# KiCad board HALTEST-panel.kicad_pcb (continued)
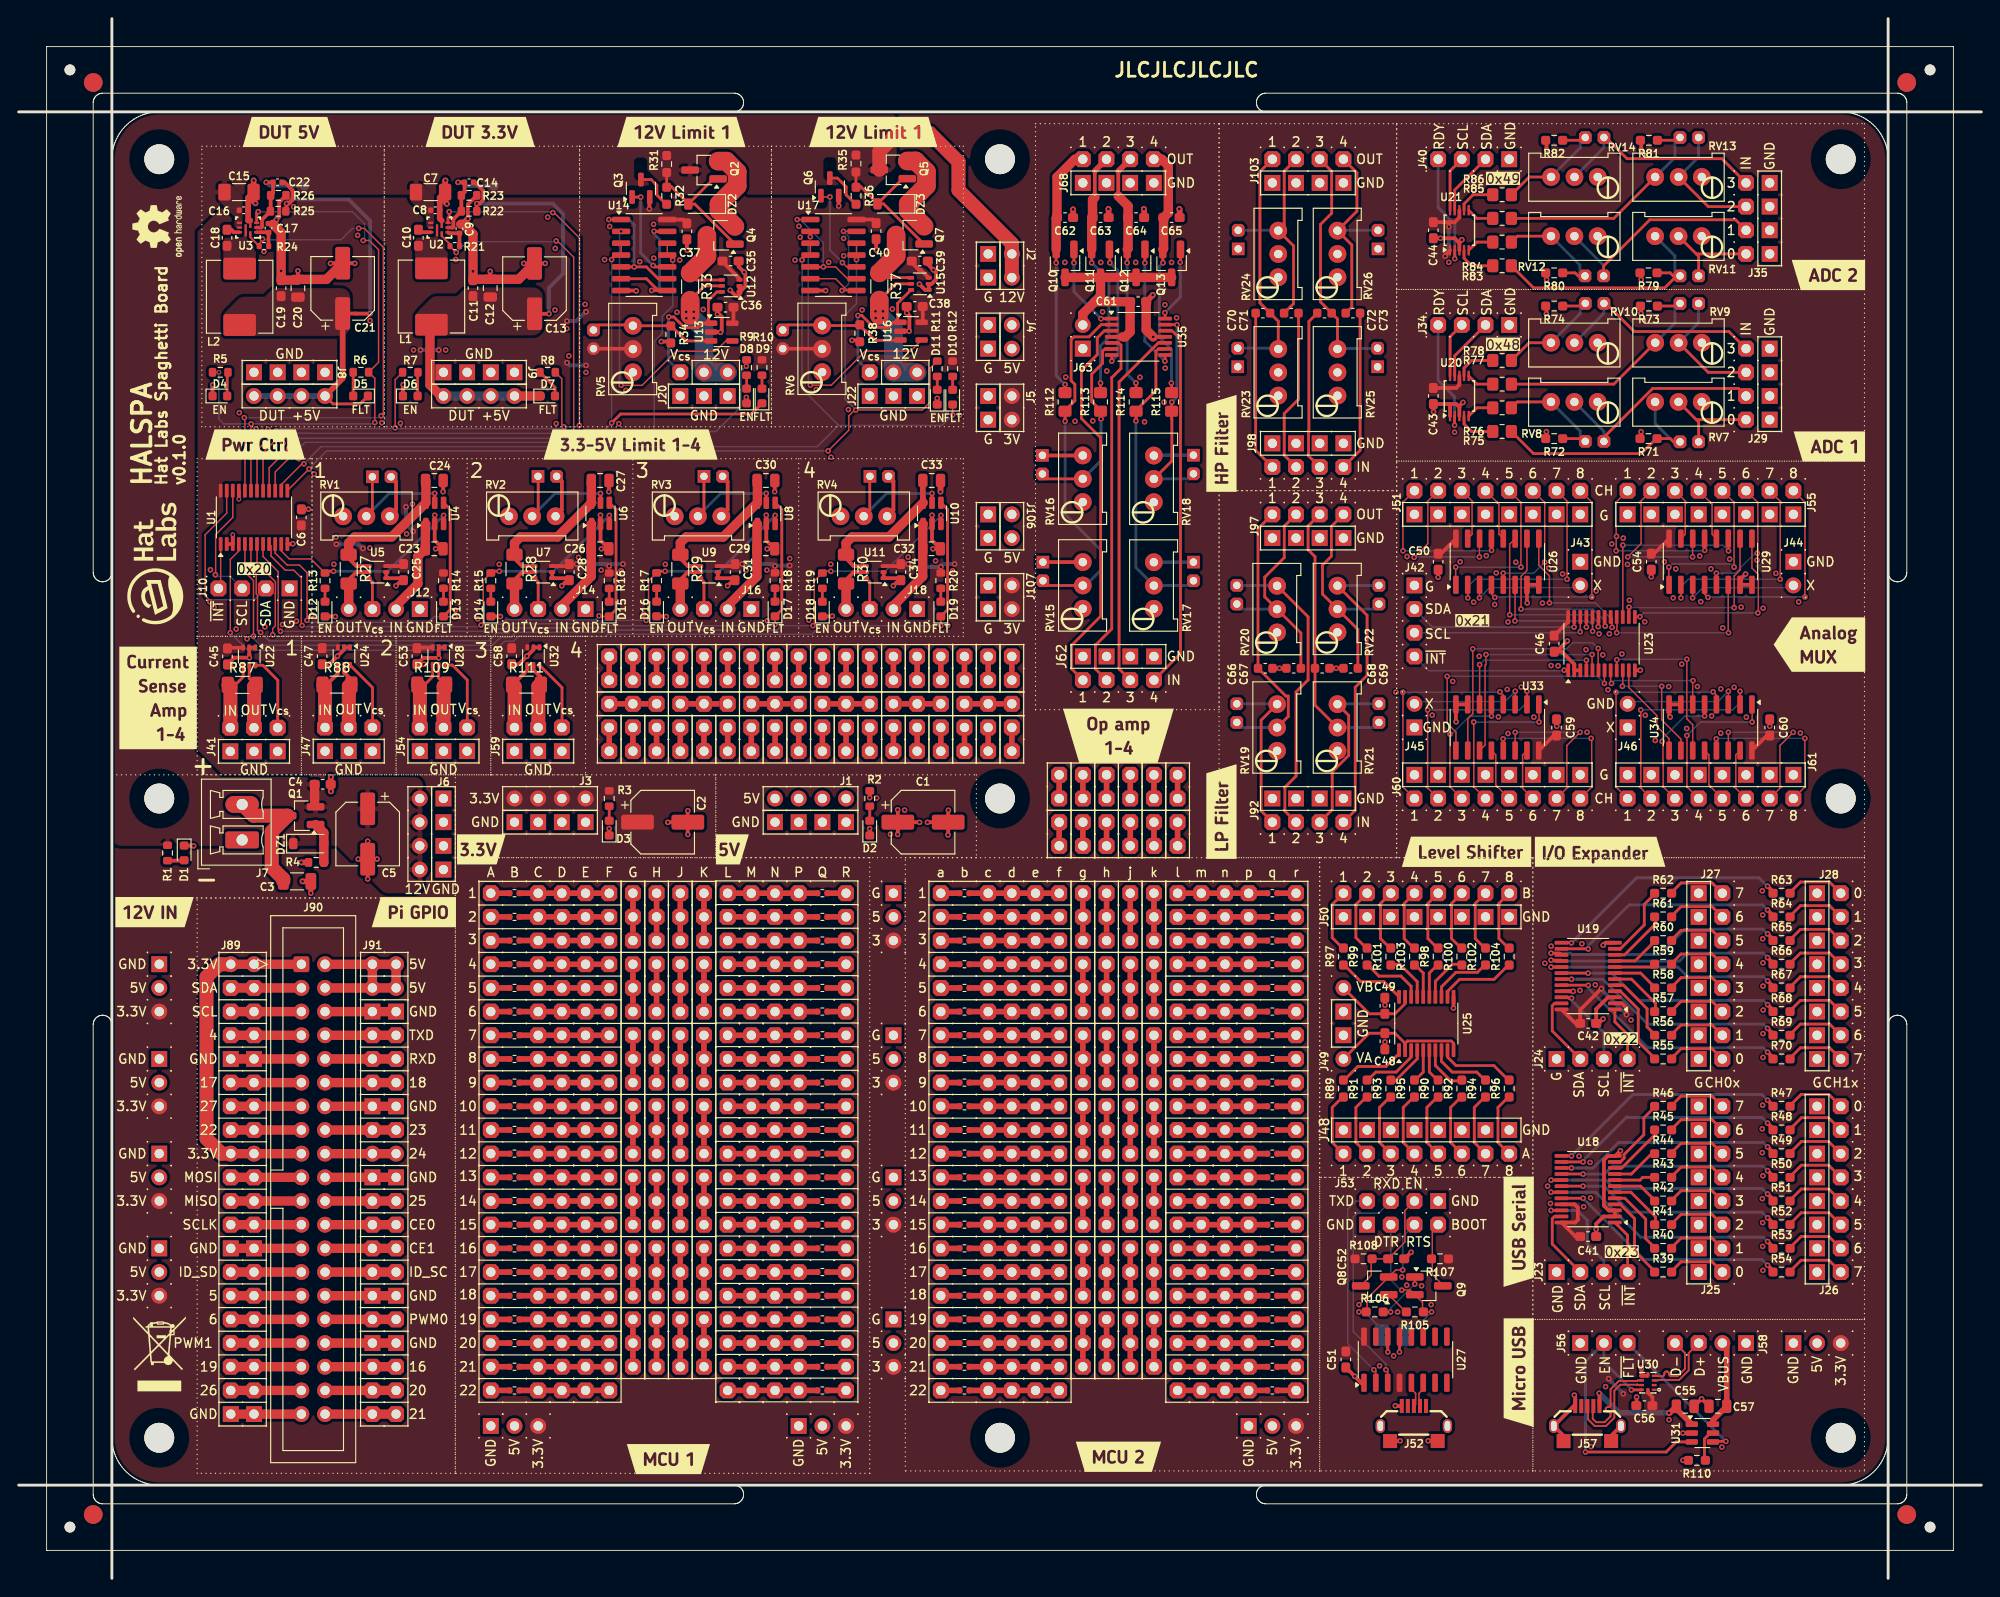
[diagram p0: board, top side]
## Nets (continued)
Board_0-/Filters/LPIN1: J92.2 J93.1 RV19.3
Board_0-/Filters/LPIN2: J92.4 J94.1 RV20.3
Board_0-/Filters/LPIN3: J92.6 J95.1 RV21.3
Board_0-/Filters/LPIN4: J92.8 J96.1 RV22.3
Board_0-/Filters/LPOUT1: C66.1 J93.2 J97.2 RV19.2
Board_0-/Filters/LPOUT2: C67.1 J94.2 J97.4 RV20.2
Board_0-/Filters/LPOUT3: C68.1 J95.2 J97.6 RV21.2
Board_0-/Filters/LPOUT4: C69.1 J96.2 J97.8 RV22.2
Board_0-/Level Shifting/A1: R89.2 U25.1
Board_0-/Level Shifting/A2: R91.2 U25.3
Board_0-/Level Shifting/A3: R93.2 U25.4
Board_0-/Level Shifting/A4: R95.2 U25.5
Board_0-/Level Shifting/A5: R90.2 U25.6
Board_0-/Level Shifting/A6: R92.2 U25.7
Board_0-/Level Shifting/A7: R94.2 U25.8
Board_0-/Level Shifting/A8: R96.2 U25.9
Board_0-/Level Shifting/Ac1: J48.2 R89.1
Board_0-/Level Shifting/Ac2: J48.4 R91.1
Board_0-/Level Shifting/Ac3: J48.6 R93.1
Board_0-/Level Shifting/Ac4: J48.8 R95.1
Board_0-/Level Shifting/Ac5: J48.10 R90.1
Board_0-/Level Shifting/Ac6: J48.12 R92.1
Board_0-/Level Shifting/Ac7: J48.14 R94.1
Board_0-/Level Shifting/Ac8: J48.16 R96.1
Board_0-/Level Shifting/B1: R97.1 U25.20
Board_0-/Level Shifting/B2: R99.1 U25.18
Board_0-/Level Shifting/B3: R101.1 U25.17
Board_0-/Level Shifting/B4: R103.1 U25.16
Board_0-/Level Shifting/B5: R98.1 U25.15
Board_0-/Level Shifting/B6: R100.1 U25.14
Board_0-/Level Shifting/B7: R102.1 U25.13
Board_0-/Level Shifting/B8: R104.1 U25.12
Board_0-/Level Shifting/Bc1: J50.2 R97.2
Board_0-/Level Shifting/Bc2: J50.4 R99.2
Board_0-/Level Shifting/Bc3: J50.6 R101.2
Board_0-/Level Shifting/Bc4: J50.8 R103.2
Board_0-/Level Shifting/Bc5: J50.10 R98.2
Board_0-/Level Shifting/Bc6: J50.12 R100.2
Board_0-/Level Shifting/Bc7: J50.14 R102.2
Board_0-/Level Shifting/Bc8: J50.16 R104.2
Board_0-/Opamp/I1-: J64.2 R112.1 RV15.2 U35.2
Board_0-/Opamp/I2-: J65.2 R113.1 RV16.2 U35.6
Board_0-/Opamp/I3-: J66.2 R114.1 RV17.2 U35.9
Board_0-/Opamp/I4-: J67.2 R115.1 RV18.2 U35.13
Board_0-/Opamp/IN1: J62.2 U35.3
Board_0-/Opamp/IN2: J62.4 U35.5
Board_0-/Opamp/IN3: J62.6 U35.10
Board_0-/Opamp/IN4: J62.8 U35.12
Board_0-/Opamp/O1: Q10.1 U35.1
Board_0-/Opamp/O2: Q11.1 U35.7
Board_0-/Opamp/O3: Q12.1 U35.8
Board_0-/Opamp/O4: Q13.1 U35.14
Board_0-/Opamp/OUT1: C62.2 J68.2 Q10.2 R112.2
Board_0-/Opamp/OUT2: C63.2 J68.4 Q11.2 R113.2
Board_0-/Opamp/OUT3: C64.2 J68.6 Q12.2 R114.2
Board_0-/Opamp/OUT4: C65.2 J68.8 Q13.2 R115.2
Board_0-/Raspberry Pi GPIO/GPIO0: J89.27 J90.27
Board_0-/Raspberry Pi GPIO/GPIO1: J90.28 J91.28
Board_0-/Raspberry Pi GPIO/GPIO2: J89.3 J90.3
Board_0-/Raspberry Pi GPIO/GPIO3: J89.5 J90.5
Board_0-/Raspberry Pi GPIO/GPIO4: J89.7 J90.7
Board_0-/Raspberry Pi GPIO/GPIO5: J89.29 J90.29
Board_0-/Raspberry Pi GPIO/GPIO6: J89.31 J90.31
Board_0-/Raspberry Pi GPIO/GPIO7: J90.26 J91.26
Board_0-/Raspberry Pi GPIO/GPIO8: J90.24 J91.24
Board_0-/Raspberry Pi GPIO/GPIO9: J89.21 J90.21
Board_0-/Raspberry Pi GPIO/GPIO10: J89.19 J90.19
Board_0-/Raspberry Pi GPIO/GPIO11: J89.23 J90.23
Board_0-/Raspberry Pi GPIO/GPIO12: J90.32 J91.32
Board_0-/Raspberry Pi GPIO/GPIO13: J89.33 J90.33
Board_0-/Raspberry Pi GPIO/GPIO14: J90.8 J91.8
Board_0-/Raspberry Pi GPIO/GPIO15: J90.10 J91.10
Board_0-/Raspberry Pi GPIO/GPIO16: J90.36 J91.36
Board_0-/Raspberry Pi GPIO/GPIO17: J89.11 J90.11
Board_0-/Raspberry Pi GPIO/GPIO18: J90.12 J91.12
Board_0-/Raspberry Pi GPIO/GPIO19: J89.35 J90.35
Board_0-/Raspberry Pi GPIO/GPIO20: J90.38 J91.38
Board_0-/Raspberry Pi GPIO/GPIO21: J90.40 J91.40
Board_0-/Raspberry Pi GPIO/GPIO22: J89.15 J90.15
Board_0-/Raspberry Pi GPIO/GPIO23: J90.16 J91.16
Board_0-/Raspberry Pi GPIO/GPIO24: J90.18 J91.18
Board_0-/Raspberry Pi GPIO/GPIO25: J90.22 J91.22
Board_0-/Raspberry Pi GPIO/GPIO26: J89.37 J90.37
Board_0-/Raspberry Pi GPIO/GPIO27: J89.13 J90.13
Board_0-/Raspberry Pi GPIO/RPI_3V3: J89.1 J89.17 J90.1 J90.17
Board_0-/Raspberry Pi GPIO/RPI_5V: J90.2 J90.4 J91.2 J91.4
Board_0-/USB connector/D+: J57.3 U30.8
Board_0-/USB connector/D-: J57.2 U30.7
Board_0-/USB connector/EN: J56.2 U30.9 U31.3
Board_0-/USB connector/MHL+: J58.3 U30.3
Board_0-/USB connector/MHL-: J58.4 U30.4
Board_0-/USB connector/~{FAULT}: J56.3 U31.4
Board_0-/USB serial interface/BOOT: J53.7 Q9.3 R107.2
Board_0-/USB serial interface/DTR: JP1.1 U27.13
Board_0-/USB serial interface/DTRb: Q8.1 R105.2
Board_0-/USB serial interface/DTRsj: J53.3 JP1.2 Q9.2 R105.1
Board_0-/USB serial interface/EN: C52.1 J53.6 Q8.3 R108.2
Board_0-/USB serial interface/RTS: JP2.2 U27.14
Board_0-/USB serial interface/RTSb: Q9.1 R106.2
Board_0-/USB serial interface/RTSsj: J53.5 JP2.1 Q8.2 R106.1
Board_0-/USB serial interface/RXD: J53.4 U27.3
Board_0-/USB serial interface/TXD: J53.2 U27.2
Board_0-/USB serial interface/USB_D+: J52.3 U27.5
Board_0-/USB serial interface/USB_D-: J52.2 U27.6
Board_0-GND: C1.2 C2.2 C3.2 C4.2 C5.2 C6.2 C7.2 C8.2 C9.2 C11.2 C12.2 C13.2 C15.2 C16.2 C17.2 C19.2 C20.2 C21.2 C23.2 C24.2 C25.2 C26.2 C27.2 C28.2 C29.2 C30.2 C31.2 C32.2 C33.2 C34.2 C35.2 C36.2 C37.2 C38.2 C39.2 C40.2 C41.2 C42.2 C43.2 C44.2 C45.1 C46.2 C47.1 C48.1 C49.2 C50.2 C51.2 C52.2 C53.1 C54.2 C55.2 C56.1 C57.2 C58.1 C59.2 C60.2 C61.1 C62.1 C63.1 C64.1 C65.1 C66.2 C67.2 C68.2 C69.2 D1.1 D2.1 D3.1 D4.1 D6.1 D8.1 D10.1 D12.1 D14.1 D16.1 D18.1 J1.1 J1.3 J1.5 J1.7 J2.1 J2.3 J3.1 J3.3 J3.5 J3.7 J4.1 J4.3 J5.1 J5.3 J6.1 J6.3 J6.5 J6.7 J7.1 J8.1 J8.3 J8.5 J8.7 J9.1 J9.3 J9.5 J9.7 J10.1 J11.2 J12.1 J13.2 J14.1 J15.2 J16.1 J17.2 J18.1 J20.1 J20.3 J20.5 J22.1 J22.3 J22.5 J23.1 J24.1 J25.1 J25.3 J25.5 J25.7 J25.9 J25.11 J25.13 J25.15 J26.1 J26.3 J26.5 J26.7 J26.9 J26.11 J26.13 J26.15 J27.1 J27.3 J27.5 J27.7 J27.9 J27.11 J27.13 J27.15 J28.1 J28.3 J28.5 J28.7 J28.9 J28.11 J28.13 J28.15 J29.1 J29.3 J29.5 J29.7 J34.1 J35.1 J35.3 J35.5 J35.7 J40.1 J41.1 J41.3 J41.5 J42.1 J43.1 J44.1 J45.1 J46.1 J47.1 J47.3 J47.5 J48.1 J48.3 J48.5 J48.7 J48.9 J48.11 J48.13 J48.15 J49.2 J49.3 J50.1 J50.3 J50.5 J50.7 J50.9 J50.11 J50.13 J50.15 J51.1 J51.3 J51.5 J51.7 J51.9 J51.11 J51.13 J51.15 J52.5 J52.6 J53.1 J53.8 J54.1 J54.3 J54.5 J55.1 J55.3 J55.5 J55.7 J55.9 J55.11 J55.13 J55.15 J56.1 J57.5 J57.6 J58.1 J59.1 J59.3 J59.5 J60.1 J60.3 J60.5 J60.7 J60.9 J60.11 J60.13 J60.15 J61.1 J61.3 J61.5 J61.7 J61.9 J61.11 J61.13 J61.15 J62.1 J62.3 J62.5 J62.7 J63.1 J64.1 J65.1 J66.1 J67.1 J68.1 J68.3 J68.5 J68.7 J89.9 J89.25 J89.39 J90.6 J90.9 J90.14 J90.20 J90.25 J90.30 J90.34 J90.39 J91.6 J91.14 J91.20 J91.30 J91.34 J92.1 J92.3 J92.5 J92.7 J97.1 J97.3 J97.5 J97.7 J98.1 J98.3 J98.5 J98.7 J99.1 J100.1 J101.1 J102.1 J103.1 J103.3 J103.5 J103.7 J106.1 J106.3 J107.1 J107.3 Q3.2 Q6.2 R4.2 R23.2 R26.2 R34.2 R38.2 R71.2 R72.2 R73.2 R74.2 R79.2 R80.2 R81.2 R82.2 R110.2 REF**#21.1 REF**#31.1 REF**#36.1 REF**#51.1 REF**#52.1 REF**#65.1 REF**#67.1 REF**#70.1 REF**#76.1 REF**#78.1 REF**#99.1 REF**#117.1 RV1.3 RV2.3 RV3.3 RV4.3 RV15.3 RV16.3 RV17.3 RV18.3 RV23.2 RV24.2 RV25.2 RV26.2 U1.2 U1.3 U1.12 U1.21 U2.4 U3.4 U4.2 U5.1 U5.2 U6.2 U7.1 U7.2 U8.2 U9.1 U9.2 U10.2 U11.1 U11.2 U12.1 U12.2 U13.2 U14.7 U15.1 U15.2 U16.2 U17.7 U18.3 U18.12 U19.3 U19.12 U19.21 U20.1 U20.3 U21.3 U22.1 U22.2 U23.2 U23.3 U23.12 U24.1 U24.2 U25.11 U26.7 U26.8 U27.1 U28.1 U28.2 U29.7 U29.8 U30.5 U30.6 U31.2 U32.1 U32.2 U33.7 U33.8 U34.7 U34.8 U35.11
Board_0-Net-(D1-A): D1.2 R1.2
Board_0-Net-(D2-A): D2.2 R2.2
Board_0-Net-(D3-A): D3.2 R3.2
Board_0-Net-(D4-A): D4.2 R5.2
Board_0-Net-(D5-A): D5.2 R6.2
Board_0-Net-(D6-A): D6.2 R7.2
Board_0-Net-(D7-A): D7.2 R8.2
Board_0-Net-(D8-A): D8.2 R9.2
Board_0-Net-(D9-A): D9.2 R10.2
Board_0-Net-(D10-A): D10.2 R11.2
Board_0-Net-(D11-A): D11.2 R12.2
Board_0-Net-(D12-A): D12.2 R13.2
Board_0-Net-(D13-A): D13.2 R14.2
Board_0-Net-(D14-A): D14.2 R15.2
Board_0-Net-(D15-A): D15.2 R16.2
Board_0-Net-(D16-A): D16.2 R17.2
Board_0-Net-(D17-A): D17.2 R18.2
Board_0-Net-(D18-A): D18.2 R19.2
Board_0-Net-(D19-A): D19.2 R20.2
Board_0-Net-(J69-Pin_1): J69.1 R116.1
Board_0-Net-(J69-Pin_2): J69.2 R117.1
Board_0-Net-(J69-Pin_3): J69.3 R118.1
Board_0-Net-(J69-Pin_4): J69.4 R119.1
Board_0-Net-(J69-Pin_5): J69.5 R120.1
Board_0-Net-(J69-Pin_6): J69.6 R121.1
Board_0-Net-(J69-Pin_7): J69.7 R122.1
Board_0-Net-(J69-Pin_8): J69.8 R123.1
Board_0-Net-(J69-Pin_9): J69.9 R124.1
Board_0-Net-(J69-Pin_10): J69.10 R125.1
Board_0-Net-(J69-Pin_11): J69.11 R126.1
Board_0-Net-(J69-Pin_12): J69.12 R127.1
Board_0-Net-(J69-Pin_13): J69.13 R128.1
Board_0-Net-(J69-Pin_14): J69.14 R129.1
Board_0-Net-(J69-Pin_15): J69.15 R130.1
Board_0-Net-(J69-Pin_16): J69.16 R131.1
Board_0-Net-(J69-Pin_17): J69.17 R132.1
Board_0-Net-(J69-Pin_18): J69.18 R133.1
Board_0-Net-(J69-Pin_19): J69.19 R134.1
Board_0-Net-(J69-Pin_20): J69.20 R135.1
Board_0-Net-(J69-Pin_21): J69.21 R136.1
Board_0-Net-(J69-Pin_22): J69.22 R137.1
Board_0-Net-(J70-Pin_1): J70.1 J71.1 J72.1 J73.1 R116.2
Board_0-Net-(J70-Pin_2): J70.2 J71.2 J72.2 J73.2 R117.2
Board_0-Net-(J70-Pin_3): J70.3 J71.3 J72.3 J73.3 R118.2
Board_0-Net-(J70-Pin_4): J70.4 J71.4 J72.4 J73.4 R119.2
Board_0-Net-(J70-Pin_5): J70.5 J71.5 J72.5 J73.5 R120.2
Board_0-Net-(J70-Pin_6): J70.6 J71.6 J72.6 J73.6 R121.2
Board_0-Net-(J70-Pin_7): J70.7 J71.7 J72.7 J73.7 R122.2
Board_0-Net-(J70-Pin_8): J70.8 J71.8 J72.8 J73.8 R123.2
Board_0-Net-(J70-Pin_9): J70.9 J71.9 J72.9 J73.9 R124.2
Board_0-Net-(J70-Pin_10): J70.10 J71.10 J72.10 J73.10 R125.2
Board_0-Net-(J70-Pin_11): J70.11 J71.11 J72.11 J73.11 R126.2
Board_0-Net-(J70-Pin_12): J70.12 J71.12 J72.12 J73.12 R127.2
Board_0-Net-(J70-Pin_13): J70.13 J71.13 J72.13 J73.13 R128.2
Board_0-Net-(J70-Pin_14): J70.14 J71.14 J72.14 J73.14 R129.2
Board_0-Net-(J70-Pin_15): J70.15 J71.15 J72.15 J73.15 R130.2
Board_0-Net-(J70-Pin_16): J70.16 J71.16 J72.16 J73.16 R131.2
Board_0-Net-(J70-Pin_17): J70.17 J71.17 J72.17 J73.17 R132.2
Board_0-Net-(J70-Pin_18): J70.18 J71.18 J72.18 J73.18 R133.2
Board_0-Net-(J70-Pin_19): J70.19 J71.19 J72.19 J73.19 R134.2
Board_0-Net-(J70-Pin_20): J70.20 J71.20 J72.20 J73.20 R135.2
Board_0-Net-(J70-Pin_21): J70.21 J71.21 J72.21 J73.21 R136.2
Board_0-Net-(J70-Pin_22): J70.22 J71.22 J72.22 J73.22 R137.2
Board_0-Net-(J74-Pin_1): J74.1 J75.1 J76.1 J77.1 R138.2
Board_0-Net-(J74-Pin_2): J74.2 J75.2 J76.2 J77.2 R139.2
Board_0-Net-(J74-Pin_3): J74.3 J75.3 J76.3 J77.3 R140.2
Board_0-Net-(J74-Pin_4): J74.4 J75.4 J76.4 J77.4 R141.2
Board_0-Net-(J74-Pin_5): J74.5 J75.5 J76.5 J77.5 R142.2
Board_0-Net-(J74-Pin_6): J74.6 J75.6 J76.6 J77.6 R143.2
Board_0-Net-(J74-Pin_7): J74.7 J75.7 J76.7 J77.7 R144.2
Board_0-Net-(J74-Pin_8): J74.8 J75.8 J76.8 J77.8 R145.2
Board_0-Net-(J74-Pin_9): J74.9 J75.9 J76.9 J77.9 R146.2
Board_0-Net-(J74-Pin_10): J74.10 J75.10 J76.10 J77.10 R147.2
Board_0-Net-(J74-Pin_11): J74.11 J75.11 J76.11 J77.11 R148.2
Board_0-Net-(J74-Pin_12): J74.12 J75.12 J76.12 J77.12 R149.2
Board_0-Net-(J74-Pin_13): J74.13 J75.13 J76.13 J77.13 R150.2
Board_0-Net-(J74-Pin_14): J74.14 J75.14 J76.14 J77.14 R151.2
Board_0-Net-(J74-Pin_15): J74.15 J75.15 J76.15 J77.15 R152.2
Board_0-Net-(J74-Pin_16): J74.16 J75.16 J76.16 J77.16 R153.2
Board_0-Net-(J74-Pin_17): J74.17 J75.17 J76.17 J77.17 R154.2
Board_0-Net-(J74-Pin_18): J74.18 J75.18 J76.18 J77.18 R155.2
Board_0-Net-(J74-Pin_19): J74.19 J75.19 J76.19 J77.19 R156.2
Board_0-Net-(J74-Pin_20): J74.20 J75.20 J76.20 J77.20 R157.2
Board_0-Net-(J74-Pin_21): J74.21 J75.21 J76.21 J77.21 R158.2
Board_0-Net-(J74-Pin_22): J74.22 J75.22 J76.22 J77.22 R159.2
Board_0-Net-(J78-Pin_1): J78.1 R138.1
Board_0-Net-(J78-Pin_2): J78.2 R139.1
Board_0-Net-(J78-Pin_3): J78.3 R140.1
Board_0-Net-(J78-Pin_4): J78.4 R141.1
Board_0-Net-(J78-Pin_5): J78.5 R142.1
Board_0-Net-(J78-Pin_6): J78.6 R143.1
Board_0-Net-(J78-Pin_7): J78.7 R144.1
Board_0-Net-(J78-Pin_8): J78.8 R145.1
Board_0-Net-(J78-Pin_9): J78.9 R146.1
Board_0-Net-(J78-Pin_10): J78.10 R147.1
Board_0-Net-(J78-Pin_11): J78.11 R148.1
Board_0-Net-(J78-Pin_12): J78.12 R149.1
Board_0-Net-(J78-Pin_13): J78.13 R150.1
Board_0-Net-(J78-Pin_14): J78.14 R151.1
Board_0-Net-(J78-Pin_15): J78.15 R152.1
Board_0-Net-(J78-Pin_16): J78.16 R153.1
Board_0-Net-(J78-Pin_17): J78.17 R154.1
Board_0-Net-(J78-Pin_18): J78.18 R155.1
Board_0-Net-(J78-Pin_19): J78.19 R156.1
Board_0-Net-(J78-Pin_20): J78.20 R157.1
Board_0-Net-(J78-Pin_21): J78.21 R158.1
Board_0-Net-(J78-Pin_22): J78.22 R159.1
Board_0-Net-(J79-Pin_1): J79.1 R160.1
Board_0-Net-(J79-Pin_2): J79.2 R161.1
Board_0-Net-(J79-Pin_3): J79.3 R162.1
Board_0-Net-(J79-Pin_4): J79.4 R163.1
Board_0-Net-(J79-Pin_5): J79.5 R164.1
Board_0-Net-(J79-Pin_6): J79.6 R165.1
Board_0-Net-(J79-Pin_7): J79.7 R166.1
Board_0-Net-(J79-Pin_8): J79.8 R167.1
Board_0-Net-(J79-Pin_9): J79.9 R168.1
Board_0-Net-(J79-Pin_10): J79.10 R169.1
Board_0-Net-(J79-Pin_11): J79.11 R170.1
Board_0-Net-(J79-Pin_12): J79.12 R171.1
Board_0-Net-(J79-Pin_13): J79.13 R172.1
Board_0-Net-(J79-Pin_14): J79.14 R173.1
Board_0-Net-(J79-Pin_15): J79.15 R174.1
Board_0-Net-(J79-Pin_16): J79.16 R175.1
Board_0-Net-(J79-Pin_17): J79.17 R176.1
Board_0-Net-(J79-Pin_18): J79.18 R177.1
Board_0-Net-(J79-Pin_19): J79.19 R178.1
Board_0-Net-(J79-Pin_20): J79.20 R179.1
Board_0-Net-(J79-Pin_21): J79.21 R180.1
Board_0-Net-(J79-Pin_22): J79.22 R181.1
Board_0-Net-(J80-Pin_1): J80.1 J81.1 J82.1 J83.1 R160.2
Board_0-Net-(J80-Pin_2): J80.2 J81.2 J82.2 J83.2 R161.2
Board_0-Net-(J80-Pin_3): J80.3 J81.3 J82.3 J83.3 R162.2
Board_0-Net-(J80-Pin_4): J80.4 J81.4 J82.4 J83.4 R163.2
Board_0-Net-(J80-Pin_5): J80.5 J81.5 J82.5 J83.5 R164.2
Board_0-Net-(J80-Pin_6): J80.6 J81.6 J82.6 J83.6 R165.2
Board_0-Net-(J80-Pin_7): J80.7 J81.7 J82.7 J83.7 R166.2
Board_0-Net-(J80-Pin_8): J80.8 J81.8 J82.8 J83.8 R167.2
Board_0-Net-(J80-Pin_9): J80.9 J81.9 J82.9 J83.9 R168.2
Board_0-Net-(J80-Pin_10): J80.10 J81.10 J82.10 J83.10 R169.2
Board_0-Net-(J80-Pin_11): J80.11 J81.11 J82.11 J83.11 R170.2
Board_0-Net-(J80-Pin_12): J80.12 J81.12 J82.12 J83.12 R171.2
Board_0-Net-(J80-Pin_13): J80.13 J81.13 J82.13 J83.13 R172.2
Board_0-Net-(J80-Pin_14): J80.14 J81.14 J82.14 J83.14 R173.2
Board_0-Net-(J80-Pin_15): J80.15 J81.15 J82.15 J83.15 R174.2
Board_0-Net-(J80-Pin_16): J80.16 J81.16 J82.16 J83.16 R175.2
Board_0-Net-(J80-Pin_17): J80.17 J81.17 J82.17 J83.17 R176.2
Board_0-Net-(J80-Pin_18): J80.18 J81.18 J82.18 J83.18 R177.2
Board_0-Net-(J80-Pin_19): J80.19 J81.19 J82.19 J83.19 R178.2
Board_0-Net-(J80-Pin_20): J80.20 J81.20 J82.20 J83.20 R179.2
Board_0-Net-(J80-Pin_21): J80.21 J81.21 J82.21 J83.21 R180.2
Board_0-Net-(J80-Pin_22): J80.22 J81.22 J82.22 J83.22 R181.2
Board_0-Net-(J84-Pin_1): J84.1 J85.1 J86.1 J87.1 R182.2
Board_0-Net-(J84-Pin_2): J84.2 J85.2 J86.2 J87.2 R183.2
Board_0-Net-(J84-Pin_3): J84.3 J85.3 J86.3 J87.3 R184.2
Board_0-Net-(J84-Pin_4): J84.4 J85.4 J86.4 J87.4 R185.2
Board_0-Net-(J84-Pin_5): J84.5 J85.5 J86.5 J87.5 R186.2
Board_0-Net-(J84-Pin_6): J84.6 J85.6 J86.6 J87.6 R187.2
Board_0-Net-(J84-Pin_7): J84.7 J85.7 J86.7 J87.7 R188.2
Board_0-Net-(J84-Pin_8): J84.8 J85.8 J86.8 J87.8 R189.2
Board_0-Net-(J84-Pin_9): J84.9 J85.9 J86.9 J87.9 R190.2
Board_0-Net-(J84-Pin_10): J84.10 J85.10 J86.10 J87.10 R191.2
Board_0-Net-(J84-Pin_11): J84.11 J85.11 J86.11 J87.11 R192.2
Board_0-Net-(J84-Pin_12): J84.12 J85.12 J86.12 J87.12 R193.2
Board_0-Net-(J84-Pin_13): J84.13 J85.13 J86.13 J87.13 R194.2
Board_0-Net-(J84-Pin_14): J84.14 J85.14 J86.14 J87.14 R195.2
Board_0-Net-(J84-Pin_15): J84.15 J85.15 J86.15 J87.15 R196.2
Board_0-Net-(J84-Pin_16): J84.16 J85.16 J86.16 J87.16 R197.2
Board_0-Net-(J84-Pin_17): J84.17 J85.17 J86.17 J87.17 R198.2
Board_0-Net-(J84-Pin_18): J84.18 J85.18 J86.18 J87.18 R199.2
Board_0-Net-(J84-Pin_19): J84.19 J85.19 J86.19 J87.19 R200.2
Board_0-Net-(J84-Pin_20): J84.20 J85.20 J86.20 J87.20 R201.2
Board_0-Net-(J84-Pin_21): J84.21 J85.21 J86.21 J87.21 R202.2
Board_0-Net-(J84-Pin_22): J84.22 J85.22 J86.22 J87.22 R203.2
Board_0-Net-(J88-Pin_1): J88.1 R182.1
Board_0-Net-(J88-Pin_2): J88.2 R183.1
Board_0-Net-(J88-Pin_3): J88.3 R184.1
Board_0-Net-(J88-Pin_4): J88.4 R185.1
Board_0-Net-(J88-Pin_5): J88.5 R186.1
Board_0-Net-(J88-Pin_6): J88.6 R187.1
Board_0-Net-(J88-Pin_7): J88.7 R188.1
Board_0-Net-(J88-Pin_8): J88.8 R189.1
Board_0-Net-(J88-Pin_9): J88.9 R190.1
Board_0-Net-(J88-Pin_10): J88.10 R191.1
Board_0-Net-(J88-Pin_11): J88.11 R192.1
Board_0-Net-(J88-Pin_12): J88.12 R193.1
Board_0-Net-(J88-Pin_13): J88.13 R194.1
Board_0-Net-(J88-Pin_14): J88.14 R195.1
Board_0-Net-(J88-Pin_15): J88.15 R196.1
Board_0-Net-(J88-Pin_16): J88.16 R197.1
Board_0-Net-(J88-Pin_17): J88.17 R198.1
Board_0-Net-(J88-Pin_18): J88.18 R199.1
Board_0-Net-(J88-Pin_19): J88.19 R200.1
Board_0-Net-(J88-Pin_20): J88.20 R201.1
Board_0-Net-(J88-Pin_21): J88.21 R202.1
Board_0-Net-(J88-Pin_22): J88.22 R203.1
Board_0-Net-(U31-ILIM): R110.1 U31.5
Board_0-unconnected-(J52-ID-Pad4): J52.4
Board_0-unconnected-(J52-VBUS-Pad1): J52.1
Board_0-unconnected-(J57-ID-Pad4): J57.4
Board_0-unconnected-(RV1-Pad1): RV1.1
Board_0-unconnected-(RV2-Pad1): RV2.1
Board_0-unconnected-(RV3-Pad1): RV3.1
Board_0-unconnected-(RV4-Pad1): RV4.1
Board_0-unconnected-(RV5-Pad1): RV5.1
Board_0-unconnected-(RV6-Pad1): RV6.1
Board_0-unconnected-(RV7-Pad1): RV7.1
Board_0-unconnected-(RV8-Pad1): RV8.1
Board_0-unconnected-(RV9-Pad1): RV9.1
Board_0-unconnected-(RV10-Pad1): RV10.1
Board_0-unconnected-(RV11-Pad1): RV11.1
Board_0-unconnected-(RV12-Pad1): RV12.1
Board_0-unconnected-(RV13-Pad1): RV13.1
Board_0-unconnected-(RV14-Pad1): RV14.1
Board_0-unconnected-(RV15-Pad1): RV15.1
Board_0-unconnected-(RV16-Pad1): RV16.1
Board_0-unconnected-(RV17-Pad1): RV17.1
Board_0-unconnected-(RV18-Pad1): RV18.1
Board_0-unconnected-(RV19-Pad1): RV19.1
Board_0-unconnected-(RV20-Pad1): RV20.1
Board_0-unconnected-(RV21-Pad1): RV21.1
Board_0-unconnected-(RV22-Pad1): RV22.1
Board_0-unconnected-(RV23-Pad1): RV23.1
Board_0-unconnected-(RV24-Pad1): RV24.1
Board_0-unconnected-(RV25-Pad1): RV25.1
Board_0-unconnected-(RV26-Pad1): RV26.1
Board_0-unconnected-(U27-NC-Pad7): U27.7
Board_0-unconnected-(U27-NC-Pad8): U27.8
Board_0-unconnected-(U27-R232-Pad15): U27.15
Board_0-unconnected-(U27-~{CTS}-Pad9): U27.9
Board_0-unconnected-(U27-~{DCD}-Pad12): U27.12
Board_0-unconnected-(U27-~{DSR}-Pad10): U27.10
Board_0-unconnected-(U27-~{RI}-Pad11): U27.11
Board_0-unconnected-(U30-USB+-Pad1): U30.1
Board_0-unconnected-(U30-USB--Pad2): U30.2

Pads without a net: REF** 1; REF**#2 1; REF**#3 1; REF**#4 1; REF**#6 1; REF**#7 1; REF**#8 1; REF**#9 1; REF**#10 1; REF**#11 1; REF**#12 1; REF**#13 1; REF**#14 1; REF**#15 1; REF**#16 1; REF**#17 1; REF**#18 1; REF**#19 1; REF**#20 1; REF**#22 1; REF**#23 1; REF**#24 1; REF**#25 1; REF**#26 1; REF**#27 1; REF**#28 1; REF**#29 1; REF**#30 1; REF**#32 1; REF**#33 1; REF**#34 1; REF**#35 1; REF**#38 1; REF**#39 1; REF**#40 1; REF**#41 1; REF**#42 1; REF**#43 1; REF**#44 1; REF**#45 1; REF**#46 1; REF**#47 1; REF**#48 1; REF**#49 1; REF**#50 1; REF**#53 1; REF**#54 1; REF**#55 1; REF**#56 1; REF**#57 1; REF**#58 1; REF**#59 1; REF**#60 1; REF**#61 1; REF**#62 1; REF**#63 1; REF**#64 1; REF**#66 1; REF**#68 1; REF**#69 1; REF**#71 1; REF**#72 1; REF**#73 1; REF**#74 1; REF**#75 1; REF**#77 1; REF**#79 1; REF**#80 1; REF**#81 1; REF**#82 1; REF**#83 1; REF**#84 1; REF**#85 1; REF**#86 1; REF**#87 1; REF**#88 1; REF**#89 1; REF**#90 1; REF**#91 1; REF**#92 1; REF**#93 1; REF**#94 1; REF**#95 1; REF**#96 1; REF**#97 1; REF**#98 1; REF**#100 1; REF**#101 1; REF**#102 1; REF**#103 1; REF**#104 1; REF**#105 1; REF**#106 1; REF**#107 1; REF**#108 1; REF**#109 1; REF**#110 1; REF**#111 1; REF**#112 1; REF**#113 1; REF**#114 1; REF**#115 1; REF**#116 1; REF**#118 1; REF**#119 1; REF**#120 1; REF**#121 1; REF**#122 1; REF**#123 1; REF**#124 1

## Via types
v1: diameter 0.6, hole 0.3, Top to Bottom, 606 vias
v2: diameter 0.5, hole 0.3, Top to Bottom, 3 vias

## Routing (per net, layer and track width the routed paths; a pad name or vN(x,y) marks a point on that pad's centre or on a via; arc(x,y) is an arc through that point)
Board_0-/Current Sense/INA199 1/V1: length 8.1
  Top w0.3: 27.78,91.28 27.78,92.55 27.8,92.56 27.8,96.34 26.19,97.95 U22.6
Board_0-/Current Sense/INA199 2/V1: length 7.7
  Top w0.3: U24.6 37.95,95.56 37.95,91.32 37.94,91.3
Board_0-/Current Sense/INA199 3/V1: length 8.1
  Top w0.3: U28.6 46.51,97.97 48.11,96.37 48.11,91.32 48.1,91.3
Board_0-/Current Sense/INA199 4/V1: length 7.7
  Top w0.3: U32.6 58.28,95.56 58.28,91.32 58.26,91.3
Board_0-/DUT Power/Buck 3.3V/VCC: length 2.7
  Top w0.4: R21.2 47.28,143.11 47.28,143.12 C9.1 46.15,144.3 U2.1
Board_0-/DUT Power/Buck 5V/VCC: length 2.8
  Top w0.4: U3.1 26.77,144.41 C17.1 26.8,142.93 R24.2
Board_0-/DUT Power/Curlim 1/Vin: length 10.5
  Top w1: J12.2 40.48,104.34 42.82,106.68 42.82,109.64 C23.1 43.62,113.06 U4.1
Board_0-/DUT Power/Curlim 2/Vin: length 10.5
  Top w1: U6.1 61.4,113.06 C26.1 61.4,107.48 58.26,104.34 J14.2
Board_0-/DUT Power/Curlim 3/Vin: length 10.5
  Top w1: U8.1 79.18,113.06 C29.1 79.18,107.48 76.04,104.34 J16.2
Board_0-/DUT Power/Curlim 4/Vin: length 10.5
  Top w1: U10.1 96.96,113.06 C32.1 96.96,107.48 93.82,104.34 J18.2
Board_0-/DUT Power/Curlim 12V 1/+12Vs: length 8.5
  Top w0.3: 72.02,140.03 72.76,139.29 75.3,139.29 75.32,139.3 U12.4
  Top w2: Q4.3 73.81,141.83 72.02,140.03
Board_0-/DUT Power/Curlim 12V 2/+12Vs: length 8.4
  Top w0.3: 92.31,140.05 92.54,140.05 93.05,139.54 95.29,139.54 95.31,139.52 U15.4
  Top w2: Q7.3 94.11,141.85 92.31,140.05
Board_0-/DUT Power/Vin: length 13.6
  Top w1.5: C3.1 28.39,75.02 27.14,76.26 27.14,80.12 Q1.3 25.18,81.82 J7.2
Board_0-/Level Shifting/VCCA: length 15.4
  Top w0.3: 146.31,58.26 C48.2 ; C48.2 147.61,58.48 148.69,57.39 ; C48.2 144.84,58.48 J49.1 ; U25.10 153.9,57.39 153.64,57.65 148.95,57.65 148.69,57.39 ; U25.2 148.69,57.39
Board_0-/Level Shifting/VCCB: length 9.3
  Top w0.3: U25.19 148.69,61.65 147.61,60.56 C49.1 ; 146.29,60.8 C49.1 ; C49.1 144.86,60.56 J49.4
Board_0-/Opamp/VCC: length 26.5
  Top w0.4: U35.4 118.37,133.19 118.38,133.18
  Top w1: Q13.3 Q10.3 ; 115.42,136.95 C61.2 119.2,133.71 118.68,133.18 118.38,133.18 ; 115.42,136.95 114.13,135.66 J63.2 ; 115.42,136.95 116.03,137.57 Q11.3
Board_0-/USB connector/VBUS: length 13.4
  Top w0.4: v1(169.51,19.86) 169.54,19.83 J57.1
  Top w0.6: v1(176.99,17.76) 177.09,17.76 C55.1 177.79,18.19 U31.1
  Bottom w0.6: v1(169.51,19.86) 171.59,17.77 176.98,17.77 v1(176.99,17.76)
Board_0-/USB connector/VBUSOUT: length 9.5
  Top w0.6: U31.6 181.72,16.99 C57.1 183.19,24.77 J58.2
Board_0-+3.3V: length 112.9
  Top w0.15: v1(168.14,102.05) 168.14,102.05 U23.21
  Top w0.4: U9.3 76.63,108.59 C31.1 ; U20.8 154.52,128.04 154.18,127.7 C43.1 ; 177,111.53 175.39,109.92 C54.1 ; C28.1 58.85,108.59 U7.3 ; C41.1 166.97,36.67 U18.24 166.94,38.17 167.23,38.47 167.23,39.77 166.88,40.12 U18.21 ; C59.1 164.65,90.42 U33.16 ; 22.36,99.74 22.45,99.83 24.07,99.83 24.08,99.84 ; U19.24 166.97,59.53 C42.1 167.47,60.99 v1(169.75,63.27) ; v1(172.44,60.47) 172.44,61.17 171.93,61.68 171.19,61.68 ; U5.3 41.07,108.59 C25.1 ; U11.3 94.41,108.59 C34.1 ; U13.5 76.67,134.78 C36.1 ; U21.1 153,141.95 v1(153,141.83) ; C39.1 95.78,141.14 96.56,140.37 96.76,140.37 U15.3 ; C37.1 71.27,145.76 69.58,145.76 U14.14 ; C44.1 153.38,145.48 ; 153.38,145.48 v1(153.38,145) ; 153.38,145.48 154.01,145.48 154.52,145.99 U21.8 ; C40.1 91.58,145.77 U17.14 ; J19.1 65.83,131.92 RV5.2 ; 42.68,99.77 42.77,99.85 44.39,99.85 44.4,99.86 ; U30.10 174.74,19.93 175.22,19.44 C56.2 ; C38.1 96.97,134.86 U16.5 ; J21.1 86.14,131.92 RV6.2 ; C60.1 187.51,90.42 U34.16 ; C50.1 152.53,109.92 154.15,111.53 ; C35.1 75.49,141.23 77.31,139.41 U12.3 ; C46.1 166.19,102.64 U23.24
  Bottom w0.4: v1(170.53,21.43) 170.53,21.38 v1(172.1,19.8) ; v1(100.37,108.81) 99.2,108.81 v1(98.9,108.5) 95.7,108.5 v1(95.39,108.81) ; v1(77.61,108.81) 80.92,108.81 v1(81.12,108.6) 81.17,108.65 v1(82.69,108.65) ; v1(36.92,110.48) 36.47,110.94 v1(34.08,110.94) ; v1(45.05,131.77) v1(43.1,131.77) ; v1(58.8,134.87) 59.8,134.87 60.8,135.87 v1(60.85,135.87) ; v1(59.83,108.81) 63.14,108.81 v1(63.34,108.6) 63.54,108.81 v1(64.81,108.81) ; v1(42.31,112.31) 41.55,113.07 v1(41.55,114.95) ; v1(172.44,60.47) 169.75,63.16 v1(169.75,63.27) ; v1(60.85,130.12) 59.1,130.12 v1(58.8,130.42) ; v1(153.38,145) 153.38,142.21 v1(153,141.83)
Board_0-+3.3VD: length 45.5
  Top w0.4: C13.1 v1(56.88,135.66) ; R22.1 49.13,147.48 v1(49.12,147.48) 49.44,147.48 49.83,147.87 49.83,148.85 48.92,149.76 C14.1
  Top w1: J9.8 45.31,126.84 44.11,128.04 44.11,134.32 L1.2 ; D7.1 J9.2
  Bottom w0.4: v1(49.12,147.48) 57.27,147.48 58.38,146.38 58.38,139.96 56.88,138.46 v1(56.88,135.66)
  Bottom w1: J9.2 J9.8
Board_0-+5V: length 5.7
  Top w0.4: 94.29,81.12 94.29,82.42 v1(94.27,82.45) ; 94.29,81.12 94.29,79.82 v1(94.27,79.8) ; 94.29,81.12 96.6,81.12 v1(96.62,81.1) ; R2.1 91.28,83.76 v1(91.27,83.75)
Board_0-+5VD: length 49.7
  Top w0.3: J8.2 33.71,125.99 36.61,125.99 D5.1
  Top w0.4: R25.1 28.73,146.74 v1(28.73,147.48) 28.99,147.48 29.38,147.87 29.38,148.91 28.53,149.76 C22.1 ; C21.1 36.12,135.69 36.13,135.68 v1(37.69,135.68)
  Top w0.6: J8.2 34.75,128.73 C21.1
  Bottom w0.4: v1(37.69,135.68) 37.7,135.69 37.7,145.62 35.4,147.92 29.16,147.92 v1(28.73,147.48)
  Bottom w0.6: J8.2 J8.8
Board_0-+12V: length 29.6
  Top w1: C4.1 31.74,82.97
  Top w1.5: Q5.3 92.31,153.08 94.3,155.07 97.7,155.07 100.8,151.97 100.8,148.92 106.52,143.2 J2.2 J2.4
Board_0-/ADC/ADS1115 1/AIN0: length 4.3
  Top w0.3: R75.1 155.83,123.03 155.02,123.84 U20.4
